# Altium PCB Minion.PcbDoc (part 8 of 10)
Units mm, origin at the board's own origin, x right, y up, seen from the top; angles counter-clockwise.
Board outline 250 x 250 mm, 4 copper layers (Top Layer, Mid-Top Layer, Mid-Bottom Layer, Bottom Layer); 557 components, 153 nets, 5229 pads, 7984 vias.
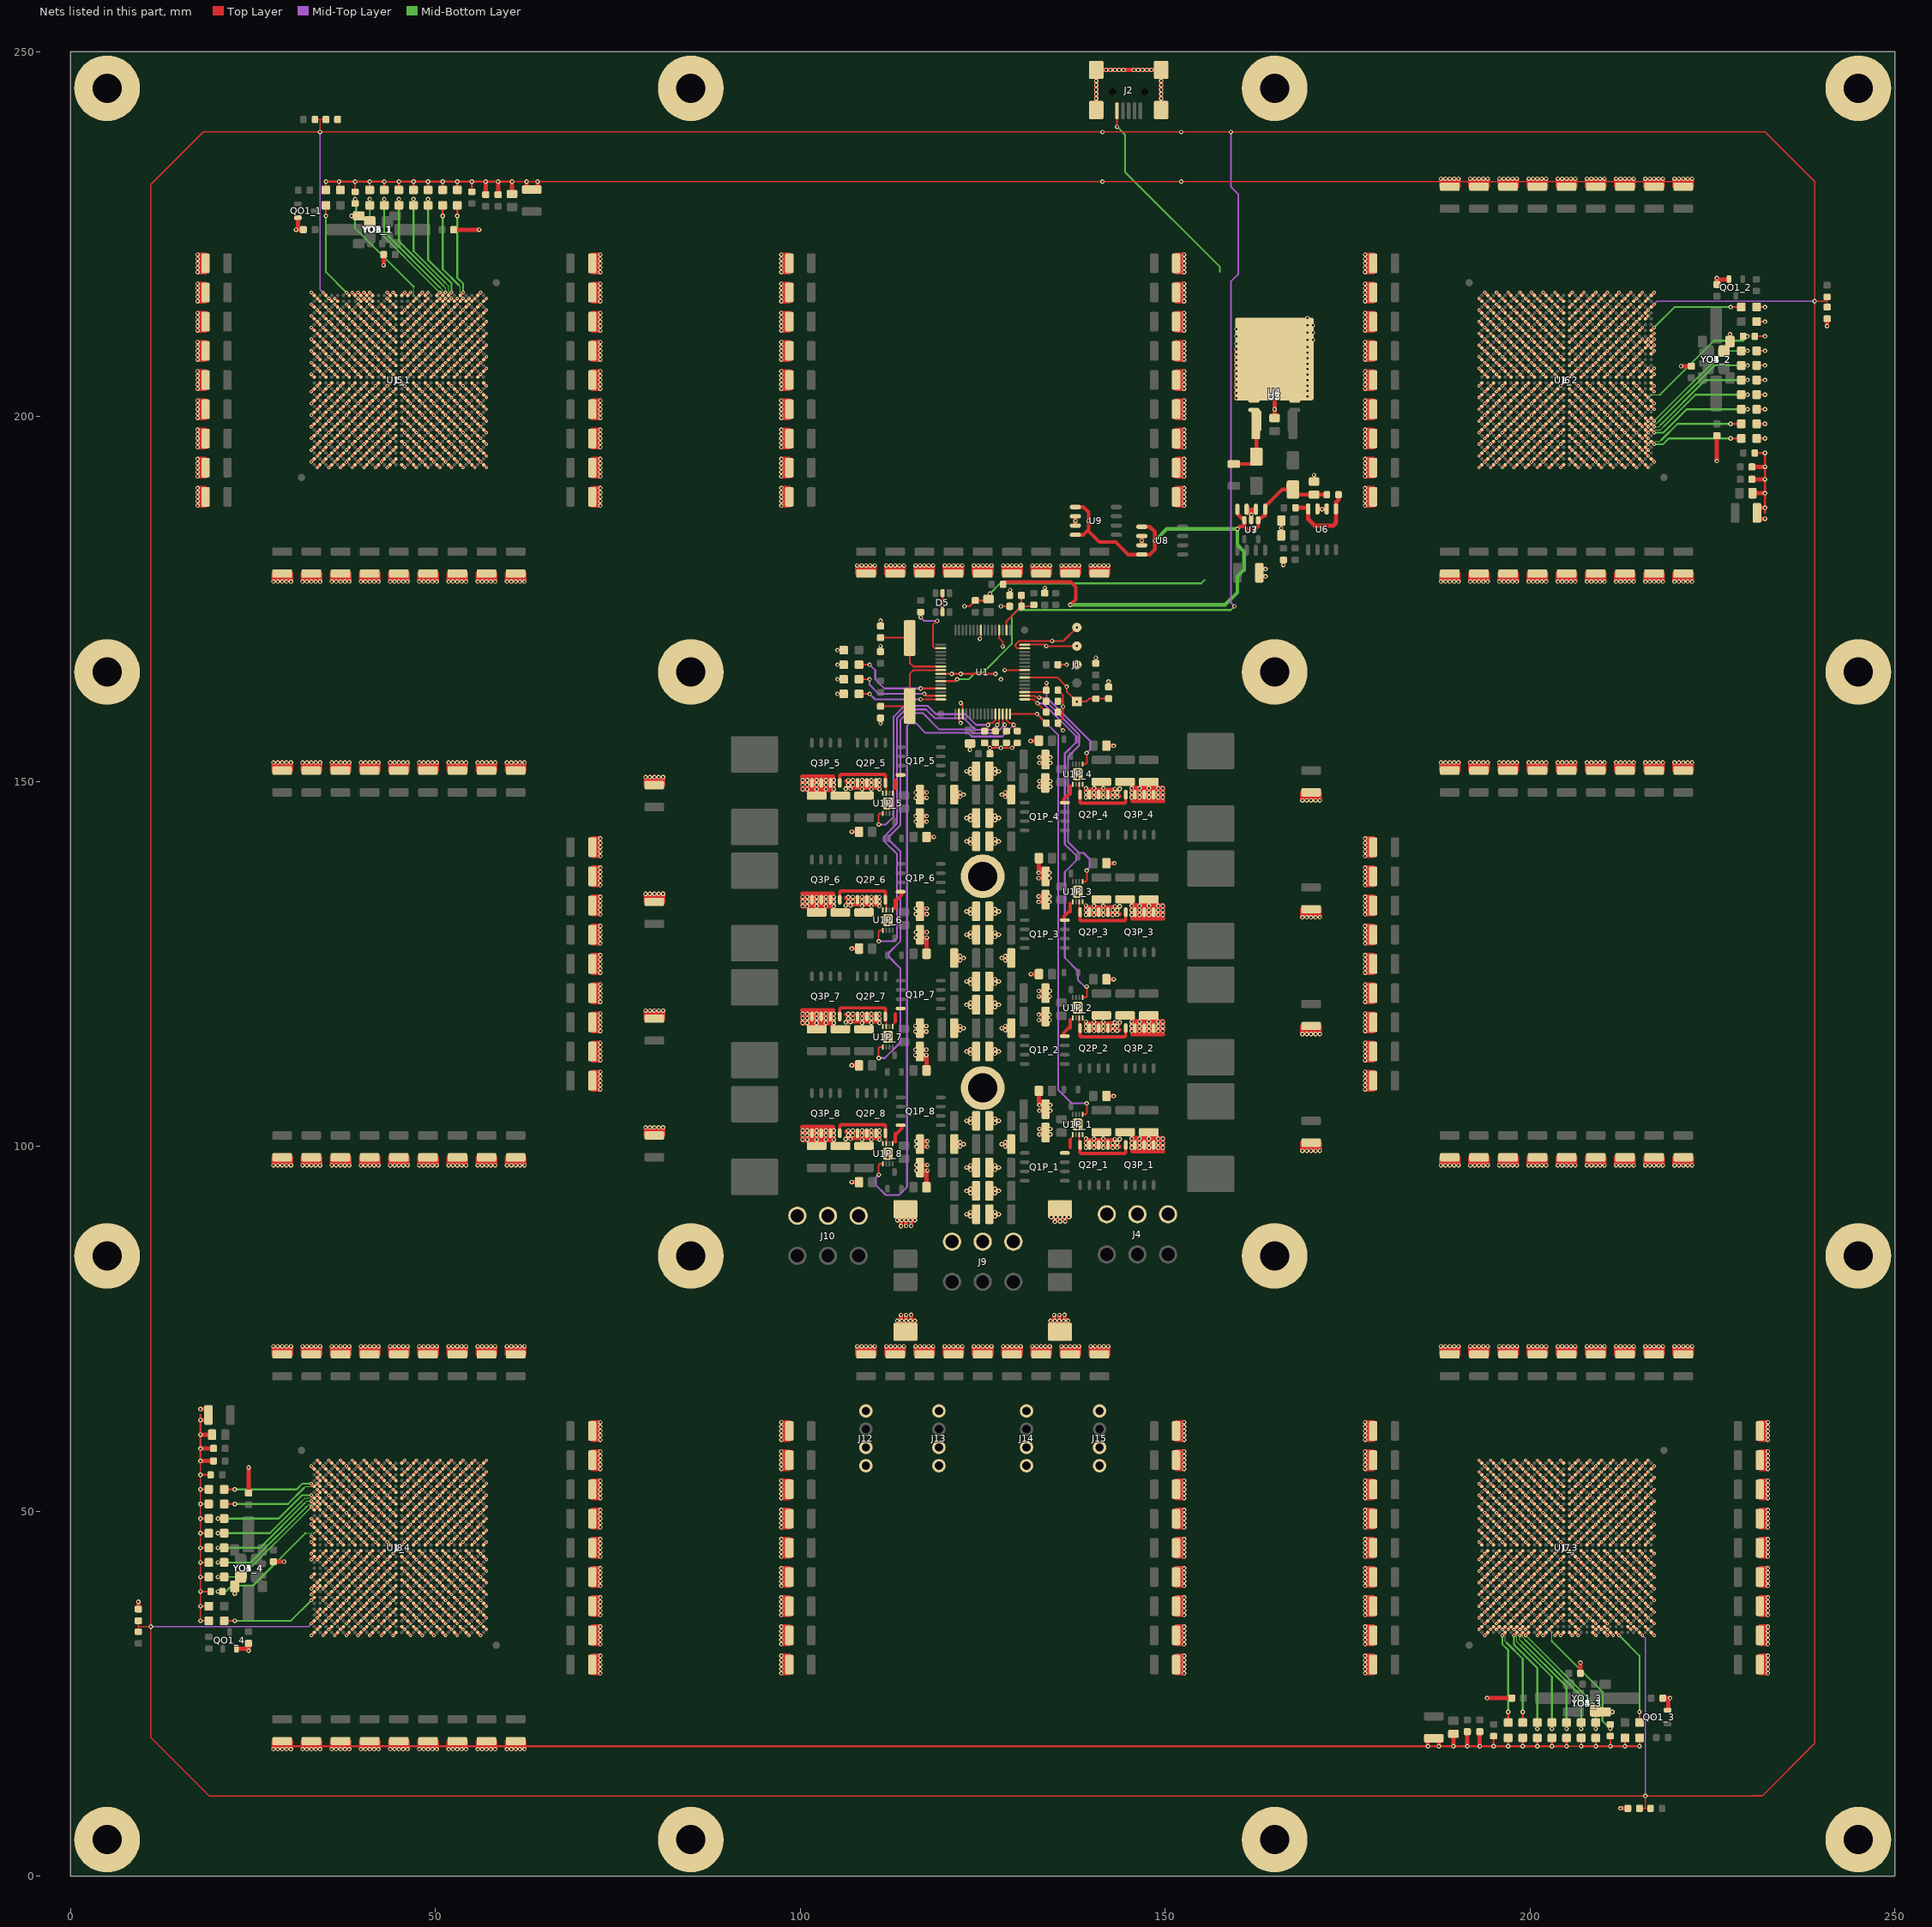
[diagram p10: the nets of this part, all layers, seen from the top]

## Via types
v1: diameter 0.6, hole 0.3, Top Layer to Bottom Layer, tented both sides, 4384 vias
v2: diameter 0.45, hole 0.2, Top Layer to Bottom Layer, tented both sides, 3600 vias

## Nets (pads, with @x,y where several pads share a name; then routed paths per layer and width w, separated by ;. In a path a pad name is that pad's centre, name@x,y a point inside that pad or via, vN(x,y) a via of type N, cw(c..) or ccw(c..) an arc to the next point about the centre after c; other vN are vias at no path point) (continued)
GND: (continued)
  Top Layer w0.6: v1(213,97.4) CF_44.2@213,98.5 ; CF_42.2@213,151.5 v1(213,152.6) ; v1(213,177.4) CM_32.2@213,178.5 ; CM_49.2@213,231.5 v1(213,232.6) ; CM_54.2@213.6,71.5 v1(213.6,72.6) ; v1(213.6,97.4) CF_44.2@213.6,98.5 ; CF_42.2@213.6,151.5 v1(213.6,152.6) ; v1(213.6,177.4) CM_32.2@213.6,178.5 ; CM_49.2@213.6,231.5 v1(213.6,232.6) ; CM_54.2@214.2,71.5 v1(214.2,72.6) ; v1(214.2,97.4) CF_44.2@214.2,98.5 ; CF_42.2@214.2,151.5 v1(214.2,152.6) ; v1(214.2,177.4) CM_32.2@214.2,178.5 ; CM_49.2@214.2,231.5 v1(214.2,232.6) ; CM_57.2@215.8,71.5 v1(215.8,72.6) ; v1(215.8,97.4) CF_25.2@215.8,98.5 ; CF_18.2@215.8,151.5 v1(215.8,152.6) ; v1(215.8,177.4) CM_31.2@215.8,178.5 ; CM_50.2@215.8,231.5 v1(215.8,232.6) ; CM_57.2@216.4,71.5 v1(216.4,72.6) ; v1(216.4,97.4) CF_25.2@216.4,98.5 ; CF_18.2@216.4,151.5 v1(216.4,152.6) ; v1(216.4,177.4) CM_31.2@216.4,178.5 ; CM_50.2@216.4,231.5 v1(216.4,232.6) ; CM_57.2@217,71.5 v1(217,72.6) ; v1(217,97.4) CF_25.2@217,98.5 ; CF_18.2@217,151.5 v1(217,152.6) ; v1(217,177.4) CM_31.2@217,178.5 ; CM_50.2@217,231.5 v1(217,232.6) ; CM_57.2@217.6,71.5 v1(217.6,72.6) ; v1(217.6,97.4) CF_25.2@217.6,98.5 ; CF_18.2@217.6,151.5 v1(217.6,152.6) ; v1(217.6,177.4) CM_31.2@217.6,178.5 ; CM_50.2@217.6,231.5 v1(217.6,232.6) ; CO6_3.2@218.2,24.4 v1(219.2,24.4) 218.95,24.15 QO1_3.2@218.95,22.75 ; CM_57.2@218.2,71.5 v1(218.2,72.6) ; v1(218.2,97.4) CF_25.2@218.2,98.5 ; CF_18.2@218.2,151.5 v1(218.2,152.6) ; v1(218.2,177.4) CM_31.2@218.2,178.5 ; CM_50.2@218.2,231.5 v1(218.2,232.6) ; CM_59.2@219.8,71.5 v1(219.8,72.6) ; v1(219.8,97.4) CF_58.2@219.8,98.5 ; CF_54.2@219.8,151.5 v1(219.8,152.6) ; v1(219.8,177.4) CM_44.2@219.8,178.5 ; CM_43.2@219.8,231.5 v1(219.8,232.6) ; CM_59.2@220.4,71.5 v1(220.4,72.6) ; v1(220.4,97.4) CF_58.2@220.4,98.5 ; CF_54.2@220.4,151.5 v1(220.4,152.6) ; v1(220.4,177.4) CM_44.2@220.4,178.5 ; CM_43.2@220.4,231.5 v1(220.4,232.6) ; v1(220.7,206.9) CO7_2.2@221.7,206.9 ; CM_59.2@221,71.5 v1(221,72.6) ; v1(221,97.4) CF_58.2@221,98.5 ; CF_54.2@221,151.5 v1(221,152.6) ; v1(221,177.4) CM_44.2@221,178.5 ; CM_43.2@221,231.5 v1(221,232.6) ; CM_59.2@221.6,71.5 v1(221.6,72.6) ; v1(221.6,97.4) CF_58.2@221.6,98.5 ; CF_54.2@221.6,151.5 v1(221.6,152.6) ; v1(221.6,177.4) CM_44.2@221.6,178.5 ; CM_43.2@221.6,231.5 v1(221.6,232.6) ; CM_59.2@222.2,71.5 v1(222.2,72.6) ; v1(222.2,97.4) CF_58.2@222.2,98.5 ; CF_54.2@222.2,151.5 v1(222.2,152.6) ; v1(222.2,177.4) CM_44.2@222.2,178.5 ; CM_43.2@222.2,231.5 v1(222.2,232.6) ; v1(225.6,193.9) CO5_2.2@225.6,197.4 ; CO6_2.2@225.6,218 v1(225.6,219) 225.85,218.75 QO1_2.2@227.25,218.75 ; YO1_2.2@227.4,210.3 v1(227.4,211.3) ; CO1_2.2@230.4,191.399 232.199,191.399 v1(232.2,191.4) ; CO2_2.2@230.4,193.1 v1(232.2,193.1) ; CO4_2.2@230.5,189.5 v1(232.2,189.5) ; CO3_2.2@231.1,186 v1(232.2,186) ; CO3_2.2@231.1,187.5 v1(232.2,187.5) ; CM_63.2@231.5,27.8 v1(232.6,27.8) ; CM_63.2@231.5,28.4 v1(232.6,28.4) ; CM_63.2@231.5,29 v1(232.6,29) ; CM_63.2@231.5,29.6 v1(232.6,29.6) ; CM_63.2@231.5,30.2 v1(232.6,30.2) ; CM_78.2@231.5,31.8 v1(232.6,31.8) ; CM_78.2@231.5,32.4 v1(232.6,32.4) ; CM_78.2@231.5,33 v1(232.6,33) ; CM_78.2@231.5,33.6 v1(232.6,33.6) ; CM_78.2@231.5,34.2 v1(232.6,34.2) ; CM_77.2@231.5,35.8 v1(232.6,35.8) ; CM_77.2@231.5,36.4 v1(232.6,36.4) ; CM_77.2@231.5,37 v1(232.6,37) ; CM_77.2@231.5,37.6 v1(232.6,37.6) ; CM_77.2@231.5,38.2 v1(232.6,38.2) ; CM_76.2@231.5,39.8 v1(232.6,39.8) ; CM_76.2@231.5,40.4 v1(232.6,40.4) ; CM_76.2@231.5,41 v1(232.6,41) ; CM_76.2@231.5,41.6 v1(232.6,41.6) ; CM_76.2@231.5,42.2 v1(232.6,42.2) ; CM_74.2@231.5,43.8 v1(232.6,43.8) ; CM_74.2@231.5,44.4 v1(232.6,44.4) ; CM_74.2@231.5,45 v1(232.6,45) ; CM_74.2@231.5,45.6 v1(232.6,45.6) ; CM_74.2@231.5,46.2 v1(232.6,46.2) ; CM_75.2@231.5,47.8 v1(232.6,47.8) ; CM_75.2@231.5,48.4 v1(232.6,48.4) ; CM_75.2@231.5,49 v1(232.6,49) ; CM_75.2@231.5,49.6 v1(232.6,49.6) ; CM_75.2@231.5,50.2 v1(232.6,50.2) ; CM_73.2@231.5,51.8 v1(232.6,51.8) ; CM_73.2@231.5,52.4 v1(232.6,52.4) ; CM_73.2@231.5,53 v1(232.6,53) ; CM_73.2@231.5,53.6 v1(232.6,53.6) ; CM_73.2@231.5,54.2 v1(232.6,54.2) ; CM_72.2@231.5,55.8 v1(232.6,55.8) ; CM_72.2@231.5,56.4 v1(232.6,56.4) ; CM_72.2@231.5,57 v1(232.6,57) ; CM_72.2@231.5,57.6 v1(232.6,57.6) ; CM_72.2@231.5,58.2 v1(232.6,58.2) ; CM_62.2@231.5,59.8 v1(232.6,59.8) ; CM_62.2@231.5,60.4 v1(232.6,60.4) ; CM_62.2@231.5,61 v1(232.6,61) ; CM_62.2@231.5,61.6 v1(232.6,61.6) ; CM_62.2@231.5,62.2 v1(232.6,62.2) ; v1(240.7,212.4) CO8_2.2@240.7,213.4
  Mid-Bottom Layer w0.25: v1(126,175.75) 127.4,177.15 154.95,177.15 155.4,177.6 ; v1(143.4,239.7) 144.5,238.6 144.5,233.5 157.5,220.5 157.5,219.825
  other v1: 112,98.5 112,99.5 139.15,99.825 140.255,99.825 141.525,99.825 142.8,99.825 145.395,99.825 146.5,99.825 147.77,99.825 149.045,99.825 149.675,99.825 143.425,99.85 139.15,100.45 140.25,100.45 141.525,100.45 142.8,100.45 145.395,100.45 146.495,100.45 147.77,100.45 149.045,100.45 149.675,100.45 143.425,100.475 100.325,100.925 100.955,100.925 102.23,100.925 103.5,100.925 104.605,100.925 108.475,100.925 109.745,100.925 110.85,100.925 143.1,100.975 106.225,101 143.775,101 106.9,101.025 139.15,101.075 140.255,101.075 141.525,101.075 145.395,101.075 146.5,101.075 147.77,101.075 149.045,101.075 149.675,101.075 106.575,101.525 100.325,101.55 100.955,101.55 102.23,101.55 103.505,101.55 104.605,101.55 107.2,101.55 108.475,101.55 109.75,101.55 110.85,101.55 106.575,102.15 100.325,102.175 100.955,102.175 102.23,102.175 103.5,102.175 104.605,102.175 107.2,102.175 108.475,102.175 109.745,102.175 110.85,102.175 138,102.5 138,103.5 112,114.5 112,115.5 139.15,115.825 140.255,115.825 141.525,115.825 142.8,115.825 145.395,115.825 146.5,115.825 147.77,115.825 149.045,115.825 149.675,115.825 143.425,115.85 139.15,116.45 140.25,116.45 141.525,116.45 142.8,116.45 145.395,116.45 146.495,116.45 147.77,116.45 149.045,116.45 149.675,116.45 143.425,116.475 100.325,116.925 100.955,116.925 102.23,116.925 103.5,116.925 104.605,116.925 108.475,116.925 109.745,116.925 110.85,116.925 143.1,116.975 106.225,117 143.775,117 106.9,117.025 139.15,117.075 140.255,117.075 141.525,117.075 145.395,117.075 146.5,117.075 147.77,117.075 149.045,117.075 149.675,117.075 106.575,117.525 100.325,117.55 100.955,117.55 102.23,117.55 103.505,117.55 104.605,117.55 107.2,117.55 108.475,117.55 109.75,117.55 110.85,117.55 106.575,118.15 100.325,118.175 100.955,118.175 102.23,118.175 103.5,118.175 104.605,118.175 107.2,118.175 108.475,118.175 109.745,118.175 110.85,118.175 138,118.5 138,119.5 134.2,121.3 112,130.5 112,131.5 139.15,131.725 140.255,131.725 141.525,131.725 142.8,131.725 145.395,131.725 146.5,131.725 147.77,131.725 149.045,131.725 149.675,131.725 143.425,131.75 139.15,132.35 140.25,132.35 141.525,132.35 142.8,132.35 145.395,132.35 146.495,132.35 147.77,132.35 149.045,132.35 149.675,132.35 143.425,132.375 143.1,132.875 143.775,132.9 100.325,132.925 100.955,132.925 102.23,132.925 103.5,132.925 104.605,132.925 108.475,132.925 109.745,132.925 110.85,132.925 140.255,132.975 141.525,132.975 145.395,132.975 146.5,132.975 147.77,132.975 149.045,132.975 149.675,132.975 106.225,133 139.15,133 106.9,133.025 106.575,133.525 100.325,133.55 100.955,133.55 102.23,133.55 103.505,133.55 104.605,133.55 107.2,133.55 108.475,133.55 109.75,133.55 110.85,133.55 106.575,134.15 100.325,134.175 100.955,134.175 102.23,134.175 103.5,134.175 104.605,134.175 107.2,134.175 108.475,134.175 109.745,134.175 110.85,134.175 138,134.4 138,135.4 112,146.5 112,147.5 139.15,147.825 140.255,147.825 141.526,147.825 142.8,147.825 145.395,147.825 146.5,147.825 147.77,147.825 149.045,147.825 149.675,147.825 143.425,147.85 139.15,148.45 140.25,148.45 141.526,148.45 142.8,148.45 145.395,148.45 146.495,148.45 147.77,148.45 149.045,148.45 149.675,148.45 143.425,148.475 100.325,148.925 100.955,148.925 102.23,148.925 103.5,148.925 104.605,148.925 108.475,148.925 109.745,148.925 110.85,148.925 143.1,148.975 106.225,149 143.775,149 106.9,149.025 139.15,149.075 140.256,149.075 141.526,149.075 145.395,149.075 146.5,149.075 147.77,149.075 149.045,149.075 149.675,149.075 106.575,149.525 100.325,149.55 100.955,149.55 102.23,149.55 103.505,149.55 104.605,149.55 107.2,149.55 108.475,149.55 109.75,149.55 110.85,149.55 106.575,150.15 100.325,150.175 100.955,150.175 102.23,150.175 103.5,150.175 104.605,150.175 107.2,150.175 108.475,150.175 109.745,150.175 110.85,150.175 138,150.5 138,151.5 127.5,164 137.9,166 146.8,183 165.9,184.725 137.7,185.7 161.8,186.55 171.5,187.3 159.76,210 170.26,210.5 159.76,211 170.26,211.5 159.76,212 169.5,212.5 170.26,212.5 169.5,213.5 152.2,232.2 140.55,243.6 149.45,243.6 140.55,244.2 149.45,244.2 140.55,244.8 149.45,244.8 140.55,245.4 149.45,245.4 140.55,246 149.45,246 141.9,247.5 142.5,247.5 143.1,247.5 143.7,247.5 144.3,247.5 145.7,247.5 146.3,247.5 146.9,247.5 147.5,247.5 148.1,247.5
  other v2: 33,33 34.6,33 36.2,33 37.8,33 39.4,33 41,33 42.6,33 44.2,33 46.6,33 48.2,33 49.8,33 51.4,33 53,33 54.6,33 56.2,33 193.8,33 201,33 201.8,33 203.4,33 204.2,33 205.8,33 206.6,33 209,33 210.6,33 211.4,33 217,33 33.8,33.8 35.4,33.8 37,33.8 38.6,33.8 40.2,33.8 41.8,33.8 43.4,33.8 45.8,33.8 47.4,33.8 49,33.8 50.6,33.8 52.2,33.8 53.8,33.8 55.4,33.8 57,33.8 193,33.8 194.6,33.8 195.4,33.8 197,33.8 199.4,33.8 201,33.8 206.6,33.8 209,33.8 209.8,33.8 210.6,33.8 213.8,33.8 214.6,33.8 216.2,33.8 34.6,34.6 36.2,34.6 37.8,34.6 39.4,34.6 41,34.6 42.6,34.6 44.2,34.6 46.6,34.6 48.2,34.6 49.8,34.6 51.4,34.6 53,34.6 54.6,34.6 56.2,34.6 193.8,34.6 195.4,34.6 197,34.6 198.6,34.6 200.2,34.6 201.8,34.6 203.4,34.6 205.8,34.6 207.4,34.6 209,34.6 210.6,34.6 212.2,34.6 213.8,34.6 215.4,34.6 217,34.6 33.8,35.4 35.4,35.4 37,35.4 38.6,35.4 40.2,35.4 41.8,35.4 43.4,35.4 45.8,35.4 47.4,35.4 49,35.4 50.6,35.4 52.2,35.4 53.8,35.4 55.4,35.4 57,35.4 193,35.4 194.6,35.4 196.2,35.4 197.8,35.4 199.4,35.4 201,35.4 202.6,35.4 204.2,35.4 206.6,35.4 208.2,35.4 209.8,35.4 211.4,35.4 213,35.4 214.6,35.4 216.2,35.4 33.8,36.2 34.6,36.2 36.2,36.2 37.8,36.2 39.4,36.2 41,36.2 42.6,36.2 44.2,36.2 46.6,36.2 48.2,36.2 49.8,36.2 51.4,36.2 53,36.2 54.6,36.2 56.2,36.2 193.8,36.2 195.4,36.2 197,36.2 198.6,36.2 200.2,36.2 201.8,36.2 203.4,36.2 205.8,36.2 207.4,36.2 209,36.2 210.6,36.2 212.2,36.2 213.8,36.2 215.4,36.2 217,36.2 35.4,37 37,37 38.6,37 40.2,37 41.8,37 43.4,37 45.8,37 47.4,37 49,37 50.6,37 52.2,37 53.8,37 55.4,37 57,37 193,37 194.6,37 196.2,37 197.8,37 199.4,37 201,37 202.6,37 204.2,37 206.6,37 208.2,37 209.8,37 211.4,37 213,37 214.6,37 216.2,37 34.6,37.8 36.2,37.8 37.8,37.8 39.4,37.8 41,37.8 42.6,37.8 44.2,37.8 46.6,37.8 48.2,37.8 49.8,37.8 51.4,37.8 53,37.8 54.6,37.8 56.2,37.8 193.8,37.8 195.4,37.8 197,37.8 198.6,37.8 200.2,37.8 201.8,37.8 203.4,37.8 205.8,37.8 207.4,37.8 209,37.8 210.6,37.8 212.2,37.8 213.8,37.8 215.4,37.8 217,37.8 33,38.6 35.4,38.6 37,38.6 38.6,38.6 40.2,38.6 41.8,38.6 43.4,38.6 45.8,38.6 47.4,38.6 49,38.6 50.6,38.6 52.2,38.6 53.8,38.6 55.4,38.6 57,38.6 193,38.6 194.6,38.6 196.2,38.6 197.8,38.6 199.4,38.6 201,38.6 202.6,38.6 204.2,38.6 206.6,38.6 208.2,38.6 209.8,38.6 211.4,38.6 213,38.6 214.6,38.6 216.2,38.6 33,39.4 33.8,39.4 34.6,39.4 36.2,39.4 37.8,39.4 39.4,39.4 41,39.4 42.6,39.4 44.2,39.4 46.6,39.4 48.2,39.4 49.8,39.4 51.4,39.4 53,39.4 54.6,39.4 56.2,39.4 193.8,39.4 195.4,39.4 197,39.4 198.6,39.4 200.2,39.4 201.8,39.4 203.4,39.4 205.8,39.4 207.4,39.4 209,39.4 210.6,39.4 212.2,39.4 213.8,39.4 215.4,39.4 217,39.4 33.8,40.2 35.4,40.2 37,40.2 38.6,40.2 40.2,40.2 41.8,40.2 43.4,40.2 45.8,40.2 47.4,40.2 49,40.2 50.6,40.2 52.2,40.2 53.8,40.2 55.4,40.2 57,40.2 193,40.2 194.6,40.2 196.2,40.2 197.8,40.2 199.4,40.2 201,40.2 202.6,40.2 204.2,40.2 206.6,40.2 208.2,40.2 209.8,40.2 211.4,40.2 213,40.2 214.6,40.2 216.2,40.2 33,41 34.6,41 36.2,41 37.8,41 39.4,41 41,41 42.6,41 44.2,41 46.6,41 48.2,41 49.8,41 51.4,41 53,41 54.6,41 56.2,41 193.8,41 195.4,41 197,41 198.6,41 200.2,41 201.8,41 203.4,41 205.8,41 207.4,41 209,41 210.6,41 212.2,41 213.8,41 215.4,41 217,41 35.4,41.8 37,41.8 38.6,41.8 40.2,41.8 41.8,41.8 43.4,41.8 45.8,41.8 47.4,41.8 49,41.8 50.6,41.8 52.2,41.8 53.8,41.8 55.4,41.8 57,41.8 193,41.8 194.6,41.8 196.2,41.8 197.8,41.8 199.4,41.8 201,41.8 202.6,41.8 204.2,41.8 206.6,41.8 208.2,41.8 209.8,41.8 211.4,41.8 213,41.8 214.6,41.8 216.2,41.8 34.6,42.6 36.2,42.6 37.8,42.6 39.4,42.6 41,42.6 42.6,42.6 44.2,42.6 46.6,42.6 48.2,42.6 49.8,42.6 51.4,42.6 53,42.6 54.6,42.6 56.2,42.6 193.8,42.6 195.4,42.6 197,42.6 198.6,42.6 200.2,42.6 201.8,42.6 203.4,42.6 205.8,42.6 207.4,42.6 209,42.6 210.6,42.6 212.2,42.6 213.8,42.6 215.4,42.6 217,42.6 33,43.4 33.8,43.4 35.4,43.4 37,43.4 38.6,43.4 40.2,43.4 41.8,43.4 43.4,43.4 45.8,43.4 47.4,43.4 49,43.4 50.6,43.4 52.2,43.4 53.8,43.4 55.4,43.4 57,43.4 193,43.4 194.6,43.4 196.2,43.4 197.8,43.4 199.4,43.4 201,43.4 202.6,43.4 204.2,43.4 206.6,43.4 208.2,43.4 209.8,43.4 211.4,43.4 213,43.4 214.6,43.4 216.2,43.4 33,44.2 34.6,44.2 36.2,44.2 37.8,44.2 39.4,44.2 41,44.2 42.6,44.2 44.2,44.2 46.6,44.2 48.2,44.2 49.8,44.2 51.4,44.2 53,44.2 54.6,44.2 56.2,44.2 193.8,44.2 195.4,44.2 197,44.2 198.6,44.2 200.2,44.2 201.8,44.2 203.4,44.2 205.8,44.2 207.4,44.2 209,44.2 210.6,44.2 212.2,44.2 213.8,44.2 215.4,44.2 217,44.2 33,45.8 35.4,45.8 37,45.8 38.6,45.8 40.2,45.8 41.8,45.8 43.4,45.8 45.8,45.8 47.4,45.8 49,45.8 50.6,45.8 52.2,45.8 53.8,45.8 55.4,45.8 57,45.8 193,45.8 194.6,45.8 196.2,45.8 197.8,45.8 199.4,45.8 201,45.8 202.6,45.8 204.2,45.8 206.6,45.8 208.2,45.8 209.8,45.8 211.4,45.8 213,45.8 214.6,45.8 216.2,45.8 33,46.6 34.6,46.6 36.2,46.6 37.8,46.6 39.4,46.6 41,46.6 42.6,46.6 44.2,46.6 46.6,46.6 48.2,46.6 49.8,46.6 51.4,46.6 53,46.6 54.6,46.6 56.2,46.6 193.8,46.6 195.4,46.6 197,46.6 198.6,46.6 200.2,46.6 201.8,46.6 203.4,46.6 205.8,46.6 207.4,46.6 209,46.6 210.6,46.6 212.2,46.6 213.8,46.6 215.4,46.6 217,46.6 35.4,47.4 37,47.4 38.6,47.4 40.2,47.4 41.8,47.4 43.4,47.4 45.8,47.4 47.4,47.4 49,47.4 50.6,47.4 52.2,47.4 53.8,47.4 55.4,47.4 57,47.4 193,47.4 194.6,47.4 196.2,47.4 197.8,47.4 199.4,47.4 201,47.4 202.6,47.4 204.2,47.4 206.6,47.4 208.2,47.4 209.8,47.4 211.4,47.4 213,47.4 214.6,47.4 216.2,47.4 33,48.2 34.6,48.2 36.2,48.2 37.8,48.2 39.4,48.2 41,48.2 42.6,48.2 44.2,48.2 46.6,48.2 48.2,48.2 49.8,48.2 51.4,48.2 53,48.2 54.6,48.2 56.2,48.2 193.8,48.2 195.4,48.2 197,48.2 198.6,48.2 200.2,48.2 201.8,48.2 203.4,48.2 205.8,48.2 207.4,48.2 209,48.2 210.6,48.2 212.2,48.2 213.8,48.2 215.4,48.2 217,48.2 33,49 33.8,49 35.4,49 37,49 38.6,49 40.2,49 41.8,49 43.4,49 45.8,49 47.4,49 49,49 50.6,49 52.2,49 53.8,49 55.4,49 57,49 193,49 194.6,49 196.2,49 197.8,49 199.4,49 201,49 202.6,49 204.2,49 206.6,49 208.2,49 209.8,49 211.4,49 213,49 214.6,49 216.2,49 34.6,49.8 36.2,49.8 37.8,49.8 39.4,49.8 41,49.8 42.6,49.8 44.2,49.8 46.6,49.8 48.2,49.8 49.8,49.8 51.4,49.8 53,49.8 54.6,49.8 56.2,49.8 193.8,49.8 195.4,49.8 197,49.8 198.6,49.8 200.2,49.8 201.8,49.8 203.4,49.8 205.8,49.8 207.4,49.8 209,49.8 210.6,49.8 212.2,49.8 213.8,49.8 215.4,49.8 217,49.8 33.8,50.6 35.4,50.6 37,50.6 38.6,50.6 40.2,50.6 41.8,50.6 43.4,50.6 45.8,50.6 47.4,50.6 49,50.6 50.6,50.6 52.2,50.6 53.8,50.6 55.4,50.6 57,50.6 193,50.6 194.6,50.6 196.2,50.6 197.8,50.6 199.4,50.6 201,50.6 202.6,50.6 204.2,50.6 206.6,50.6 208.2,50.6 209.8,50.6 211.4,50.6 213,50.6 214.6,50.6 216.2,50.6 34.6,51.4 36.2,51.4 37.8,51.4 39.4,51.4 41,51.4 42.6,51.4 44.2,51.4 46.6,51.4 48.2,51.4 49.8,51.4 51.4,51.4 53,51.4 54.6,51.4 56.2,51.4 193.8,51.4 195.4,51.4 197,51.4 198.6,51.4 200.2,51.4 201.8,51.4 203.4,51.4 205.8,51.4 207.4,51.4 209,51.4 210.6,51.4 212.2,51.4 213.8,51.4 215.4,51.4 217,51.4 35.4,52.2 37,52.2 38.6,52.2 40.2,52.2 41.8,52.2 43.4,52.2 45.8,52.2 47.4,52.2 49,52.2 50.6,52.2 52.2,52.2 53.8,52.2 55.4,52.2 57,52.2 193,52.2 194.6,52.2 196.2,52.2 197.8,52.2 199.4,52.2 201,52.2 202.6,52.2 204.2,52.2 206.6,52.2 208.2,52.2 209.8,52.2 211.4,52.2 213,52.2 214.6,52.2 216.2,52.2 33.8,53 34.6,53 36.2,53 37.8,53 39.4,53 41,53 42.6,53 44.2,53 46.6,53 48.2,53 49.8,53 51.4,53 53,53 54.6,53 56.2,53 193.8,53 195.4,53 197,53 198.6,53 200.2,53 201.8,53 203.4,53 205.8,53 207.4,53 209,53 210.6,53 212.2,53 213.8,53 215.4,53 217,53 35.4,53.8 37,53.8 38.6,53.8 40.2,53.8 41.8,53.8 43.4,53.8 45.8,53.8 47.4,53.8 49,53.8 50.6,53.8 52.2,53.8 53.8,53.8 55.4,53.8 57,53.8 193,53.8 194.6,53.8 196.2,53.8 197.8,53.8 199.4,53.8 201,53.8 202.6,53.8 204.2,53.8 206.6,53.8 208.2,53.8 209.8,53.8 211.4,53.8 213,53.8 214.6,53.8 216.2,53.8 33.8,54.6 34.6,54.6 36.2,54.6 37.8,54.6 39.4,54.6 41,54.6 42.6,54.6 44.2,54.6 46.6,54.6 48.2,54.6 49.8,54.6 51.4,54.6 53,54.6 54.6,54.6 56.2,54.6 193.8,54.6 195.4,54.6 197,54.6 198.6,54.6 200.2,54.6 201.8,54.6 203.4,54.6 205.8,54.6 207.4,54.6 209,54.6 210.6,54.6 212.2,54.6 213.8,54.6 215.4,54.6 217,54.6 33.8,55.4 35.4,55.4 37,55.4 38.6,55.4 40.2,55.4 41.8,55.4 43.4,55.4 45.8,55.4 47.4,55.4 49,55.4 50.6,55.4 52.2,55.4 53.8,55.4 55.4,55.4 57,55.4 193,55.4 194.6,55.4 196.2,55.4 197.8,55.4 199.4,55.4 201,55.4 202.6,55.4 204.2,55.4 206.6,55.4 208.2,55.4 209.8,55.4 211.4,55.4 213,55.4 214.6,55.4 216.2,55.4 33,56.2 34.6,56.2 36.2,56.2 37.8,56.2 39.4,56.2 41,56.2 42.6,56.2 44.2,56.2 46.6,56.2 48.2,56.2 49.8,56.2 51.4,56.2 53,56.2 54.6,56.2 56.2,56.2 193.8,56.2 195.4,56.2 197,56.2 198.6,56.2 200.2,56.2 201.8,56.2 203.4,56.2 205.8,56.2 207.4,56.2 209,56.2 210.6,56.2 212.2,56.2 213.8,56.2 215.4,56.2 217,56.2 33.8,57 35.4,57 37,57 38.6,57 40.2,57 41.8,57 43.4,57 45.8,57 47.4,57 49,57 50.6,57 52.2,57 53.8,57 55.4,57 57,57 193,57 194.6,57 196.2,57 197.8,57 199.4,57 201,57 202.6,57 204.2,57 206.6,57 208.2,57 209.8,57 211.4,57 213,57 214.6,57 216.2,57 33.8,193 35.4,193 37,193 38.6,193 40.2,193 41.8,193 43.4,193 45.8,193 47.4,193 49,193 50.6,193 52.2,193 53.8,193 55.4,193 57,193 193,193 194.6,193 196.2,193 197.8,193 199.4,193 201,193 202.6,193 204.2,193 206.6,193 208.2,193 209.8,193 211.4,193 213,193 214.6,193 216.2,193 33,193.8 34.6,193.8 36.2,193.8 37.8,193.8 39.4,193.8 41,193.8 42.6,193.8 44.2,193.8 46.6,193.8 48.2,193.8 49.8,193.8 51.4,193.8 53,193.8 54.6,193.8 56.2,193.8 193.8,193.8 195.4,193.8 197,193.8 198.6,193.8 200.2,193.8 201.8,193.8 203.4,193.8 205.8,193.8 207.4,193.8 209,193.8 210.6,193.8 212.2,193.8 213.8,193.8 215.4,193.8 217,193.8 33.8,194.6 35.4,194.6 37,194.6 38.6,194.6 40.2,194.6 41.8,194.6 43.4,194.6 45.8,194.6 47.4,194.6 49,194.6 50.6,194.6 52.2,194.6 53.8,194.6 55.4,194.6 57,194.6 193,194.6 194.6,194.6 196.2,194.6 197.8,194.6 199.4,194.6 201,194.6 202.6,194.6 204.2,194.6 206.6,194.6 208.2,194.6 209.8,194.6 211.4,194.6 213,194.6 214.6,194.6 216.2,194.6 33,195.4 34.6,195.4 36.2,195.4 37.8,195.4 39.4,195.4 41,195.4 42.6,195.4 44.2,195.4 46.6,195.4 48.2,195.4 49.8,195.4 51.4,195.4 53,195.4 54.6,195.4 56.2,195.4 193.8,195.4 195.4,195.4 197,195.4 198.6,195.4 200.2,195.4 201.8,195.4 203.4,195.4 205.8,195.4 207.4,195.4 209,195.4 210.6,195.4 212.2,195.4 213.8,195.4 215.4,195.4 216.2,195.4 33.8,196.2 35.4,196.2 37,196.2 38.6,196.2 40.2,196.2 41.8,196.2 43.4,196.2 45.8,196.2 47.4,196.2 49,196.2 50.6,196.2 52.2,196.2 53.8,196.2 55.4,196.2 57,196.2 193,196.2 194.6,196.2 196.2,196.2 197.8,196.2 199.4,196.2 201,196.2 202.6,196.2 204.2,196.2 206.6,196.2 208.2,196.2 209.8,196.2 211.4,196.2 213,196.2 214.6,196.2 33,197 34.6,197 36.2,197 37.8,197 39.4,197 41,197 42.6,197 44.2,197 46.6,197 48.2,197 49.8,197 51.4,197 53,197 54.6,197 56.2,197 193.8,197 195.4,197 197,197 198.6,197 200.2,197 201.8,197 203.4,197 205.8,197 207.4,197 209,197 210.6,197 212.2,197 213.8,197 215.4,197 216.2,197 33.8,197.8 35.4,197.8 37,197.8 38.6,197.8 40.2,197.8 41.8,197.8 43.4,197.8 45.8,197.8 47.4,197.8 49,197.8 50.6,197.8 52.2,197.8 53.8,197.8 55.4,197.8 57,197.8 193,197.8 194.6,197.8 196.2,197.8 197.8,197.8 199.4,197.8 201,197.8 202.6,197.8 204.2,197.8 206.6,197.8 208.2,197.8 209.8,197.8 211.4,197.8 213,197.8 214.6,197.8 33,198.6 34.6,198.6 36.2,198.6 37.8,198.6 39.4,198.6 41,198.6 42.6,198.6 44.2,198.6 46.6,198.6 48.2,198.6 49.8,198.6 51.4,198.6 53,198.6 54.6,198.6 56.2,198.6 193.8,198.6 195.4,198.6 197,198.6 198.6,198.6 200.2,198.6 201.8,198.6 203.4,198.6 205.8,198.6 207.4,198.6 209,198.6 210.6,198.6 212.2,198.6 213.8,198.6 215.4,198.6 33.8,199.4 35.4,199.4 37,199.4 38.6,199.4 40.2,199.4 41.8,199.4 43.4,199.4 45.8,199.4 47.4,199.4 49,199.4 50.6,199.4 52.2,199.4 53.8,199.4 55.4,199.4 57,199.4 193,199.4 194.6,199.4 196.2,199.4 197.8,199.4 199.4,199.4 201,199.4 202.6,199.4 204.2,199.4 206.6,199.4 208.2,199.4 209.8,199.4 211.4,199.4 213,199.4 214.6,199.4 216.2,199.4 33,200.2 34.6,200.2 36.2,200.2 37.8,200.2 39.4,200.2 41,200.2 42.6,200.2 44.2,200.2 46.6,200.2 48.2,200.2 49.8,200.2 51.4,200.2 53,200.2 54.6,200.2 56.2,200.2 193.8,200.2 195.4,200.2 197,200.2 198.6,200.2 200.2,200.2 201.8,200.2 203.4,200.2 205.8,200.2 207.4,200.2 209,200.2 210.6,200.2 212.2,200.2 213.8,200.2 215.4,200.2 33.8,201 35.4,201 37,201 38.6,201 40.2,201 41.8,201 43.4,201 45.8,201 47.4,201 49,201 50.6,201 52.2,201 53.8,201 55.4,201 57,201 193,201 194.6,201 196.2,201 197.8,201 199.4,201 201,201 202.6,201 204.2,201 206.6,201 208.2,201 209.8,201 211.4,201 213,201 214.6,201 216.2,201 217,201 33,201.8 34.6,201.8 36.2,201.8 37.8,201.8 39.4,201.8 41,201.8 42.6,201.8 44.2,201.8 46.6,201.8 48.2,201.8 49.8,201.8 51.4,201.8 53,201.8 54.6,201.8 56.2,201.8 193.8,201.8 195.4,201.8 197,201.8 198.6,201.8 200.2,201.8 201.8,201.8 203.4,201.8 205.8,201.8 207.4,201.8 209,201.8 210.6,201.8 212.2,201.8 213.8,201.8 215.4,201.8 217,201.8 33.8,202.6 35.4,202.6 37,202.6 38.6,202.6 40.2,202.6 41.8,202.6 43.4,202.6 45.8,202.6 47.4,202.6 49,202.6 50.6,202.6 52.2,202.6 53.8,202.6 55.4,202.6 57,202.6 193,202.6 194.6,202.6 196.2,202.6 197.8,202.6 199.4,202.6 201,202.6 202.6,202.6 204.2,202.6 206.6,202.6 208.2,202.6 209.8,202.6 211.4,202.6 213,202.6 214.6,202.6 33,203.4 34.6,203.4 36.2,203.4 37.8,203.4 39.4,203.4 41,203.4 42.6,203.4 44.2,203.4 46.6,203.4 48.2,203.4 49.8,203.4 51.4,203.4 53,203.4 54.6,203.4 56.2,203.4 193.8,203.4 195.4,203.4 197,203.4 198.6,203.4 200.2,203.4 201.8,203.4 203.4,203.4 205.8,203.4 207.4,203.4 209,203.4 210.6,203.4 212.2,203.4 213.8,203.4 215.4,203.4 217,203.4 33.8,204.2 35.4,204.2 37,204.2 38.6,204.2 40.2,204.2 41.8,204.2 43.4,204.2 45.8,204.2 47.4,204.2 49,204.2 50.6,204.2 52.2,204.2 53.8,204.2 55.4,204.2 57,204.2 193,204.2 194.6,204.2 196.2,204.2 197.8,204.2 199.4,204.2 201,204.2 202.6,204.2 204.2,204.2 206.6,204.2 208.2,204.2 209.8,204.2 211.4,204.2 213,204.2 214.6,204.2 217,204.2 33,205.8 34.6,205.8 36.2,205.8 37.8,205.8 39.4,205.8 41,205.8 42.6,205.8 44.2,205.8 46.6,205.8 48.2,205.8 49.8,205.8 51.4,205.8 53,205.8 54.6,205.8 56.2,205.8 193.8,205.8 195.4,205.8 197,205.8 198.6,205.8 200.2,205.8 201.8,205.8 203.4,205.8 205.8,205.8 207.4,205.8 209,205.8 210.6,205.8 212.2,205.8 213.8,205.8 215.4,205.8 217,205.8 33.8,206.6 35.4,206.6 37,206.6 38.6,206.6 40.2,206.6 41.8,206.6 43.4,206.6 45.8,206.6 47.4,206.6 49,206.6 50.6,206.6 52.2,206.6 53.8,206.6 55.4,206.6 57,206.6 193,206.6 194.6,206.6 196.2,206.6 197.8,206.6 199.4,206.6 201,206.6 202.6,206.6 204.2,206.6 206.6,206.6 208.2,206.6 209.8,206.6 211.4,206.6 213,206.6 214.6,206.6 216.2,206.6 217,206.6 33,207.4 34.6,207.4 36.2,207.4 37.8,207.4 39.4,207.4 41,207.4 42.6,207.4 44.2,207.4 46.6,207.4 48.2,207.4 49.8,207.4 51.4,207.4 53,207.4 54.6,207.4 56.2,207.4 193.8,207.4 195.4,207.4 197,207.4 198.6,207.4 200.2,207.4 201.8,207.4 203.4,207.4 205.8,207.4 207.4,207.4 209,207.4 210.6,207.4 212.2,207.4 213.8,207.4 215.4,207.4 33.8,208.2 35.4,208.2 37,208.2 38.6,208.2 40.2,208.2 41.8,208.2 43.4,208.2 45.8,208.2 47.4,208.2 49,208.2 50.6,208.2 52.2,208.2 53.8,208.2 55.4,208.2 57,208.2 193,208.2 194.6,208.2 196.2,208.2 197.8,208.2 199.4,208.2 201,208.2 202.6,208.2 204.2,208.2 206.6,208.2 208.2,208.2 209.8,208.2 211.4,208.2 213,208.2 214.6,208.2 33,209 34.6,209 36.2,209 37.8,209 39.4,209 41,209 42.6,209 44.2,209 46.6,209 48.2,209 49.8,209 51.4,209 53,209 54.6,209 56.2,209 193.8,209 195.4,209 197,209 198.6,209 200.2,209 201.8,209 203.4,209 205.8,209 207.4,209 209,209 210.6,209 212.2,209 213.8,209 215.4,209 217,209 33.8,209.8 35.4,209.8 37,209.8 38.6,209.8 40.2,209.8 41.8,209.8 43.4,209.8 45.8,209.8 47.4,209.8 49,209.8 50.6,209.8 52.2,209.8 53.8,209.8 55.4,209.8 57,209.8 193,209.8 194.6,209.8 196.2,209.8 197.8,209.8 199.4,209.8 201,209.8 202.6,209.8 204.2,209.8 206.6,209.8 208.2,209.8 209.8,209.8 211.4,209.8 213,209.8 214.6,209.8 216.2,209.8 217,209.8 33,210.6 34.6,210.6 36.2,210.6 37.8,210.6 39.4,210.6 41,210.6 42.6,210.6 44.2,210.6 46.6,210.6 48.2,210.6 49.8,210.6 51.4,210.6 53,210.6 54.6,210.6 56.2,210.6 193.8,210.6 195.4,210.6 197,210.6 198.6,210.6 200.2,210.6 201.8,210.6 203.4,210.6 205.8,210.6 207.4,210.6 209,210.6 210.6,210.6 212.2,210.6 213.8,210.6 215.4,210.6 216.2,210.6 217,210.6 33.8,211.4 35.4,211.4 37,211.4 38.6,211.4 40.2,211.4 41.8,211.4 43.4,211.4 45.8,211.4 47.4,211.4 49,211.4 50.6,211.4 52.2,211.4 53.8,211.4 55.4,211.4 57,211.4 193,211.4 194.6,211.4 196.2,211.4 197.8,211.4 199.4,211.4 201,211.4 202.6,211.4 204.2,211.4 206.6,211.4 208.2,211.4 209.8,211.4 211.4,211.4 213,211.4 214.6,211.4 217,211.4 33,212.2 34.6,212.2 36.2,212.2 37.8,212.2 39.4,212.2 41,212.2 42.6,212.2 44.2,212.2 46.6,212.2 48.2,212.2 49.8,212.2 51.4,212.2 53,212.2 54.6,212.2 56.2,212.2 193.8,212.2 195.4,212.2 197,212.2 198.6,212.2 200.2,212.2 201.8,212.2 203.4,212.2 205.8,212.2 207.4,212.2 209,212.2 210.6,212.2 212.2,212.2 213.8,212.2 215.4,212.2 33.8,213 35.4,213 37,213 38.6,213 40.2,213 41.8,213 43.4,213 45.8,213 47.4,213 49,213 50.6,213 52.2,213 53.8,213 55.4,213 57,213 193,213 194.6,213 196.2,213 197.8,213 199.4,213 201,213 202.6,213 204.2,213 206.6,213 208.2,213 209.8,213 211.4,213 213,213 214.6,213 33,213.8 34.6,213.8 36.2,213.8 37.8,213.8 39.4,213.8 41,213.8 42.6,213.8 44.2,213.8 46.6,213.8 48.2,213.8 49.8,213.8 51.4,213.8 53,213.8 54.6,213.8 56.2,213.8 193.8,213.8 195.4,213.8 197,213.8 198.6,213.8 200.2,213.8 201.8,213.8 203.4,213.8 205.8,213.8 207.4,213.8 209,213.8 210.6,213.8 212.2,213.8 213.8,213.8 215.4,213.8 216.2,213.8 33.8,214.6 35.4,214.6 37,214.6 38.6,214.6 40.2,214.6 41.8,214.6 43.4,214.6 45.8,214.6 47.4,214.6 49,214.6 50.6,214.6 52.2,214.6 53.8,214.6 55.4,214.6 57,214.6 193,214.6 194.6,214.6 196.2,214.6 197.8,214.6 199.4,214.6 201,214.6 202.6,214.6 204.2,214.6 206.6,214.6 208.2,214.6 209.8,214.6 211.4,214.6 213,214.6 214.6,214.6 216.2,214.6 33,215.4 34.6,215.4 36.2,215.4 37.8,215.4 39.4,215.4 41,215.4 42.6,215.4 44.2,215.4 46.6,215.4 48.2,215.4 49.8,215.4 51.4,215.4 53,215.4 54.6,215.4 56.2,215.4 193.8,215.4 195.4,215.4 197,215.4 198.6,215.4 200.2,215.4 201.8,215.4 203.4,215.4 205.8,215.4 207.4,215.4 209,215.4 210.6,215.4 212.2,215.4 213.8,215.4 215.4,215.4 33.8,216.2 35.4,216.2 36.2,216.2 39.4,216.2 40.2,216.2 41,216.2 43.4,216.2 49,216.2 50.6,216.2 53,216.2 54.6,216.2 55.4,216.2 57,216.2 193,216.2 194.6,216.2 196.2,216.2 197.8,216.2 199.4,216.2 201,216.2 202.6,216.2 204.2,216.2 206.6,216.2 208.2,216.2 209.8,216.2 211.4,216.2 213,216.2 214.6,216.2 216.2,216.2 33,217 38.6,217 39.4,217 40.2,217 41,217 43.4,217 44.2,217 45.8,217 46.6,217 48.2,217 49,217 56.2,217 193.8,217 195.4,217 197,217 198.6,217 200.2,217 201.8,217 203.4,217 205.8,217 207.4,217 209,217 210.6,217 212.2,217 213.8,217 215.4,217 217,217